# Allegro board rpi-cm4-carrierboard-v1_00-0a.brd (continued)
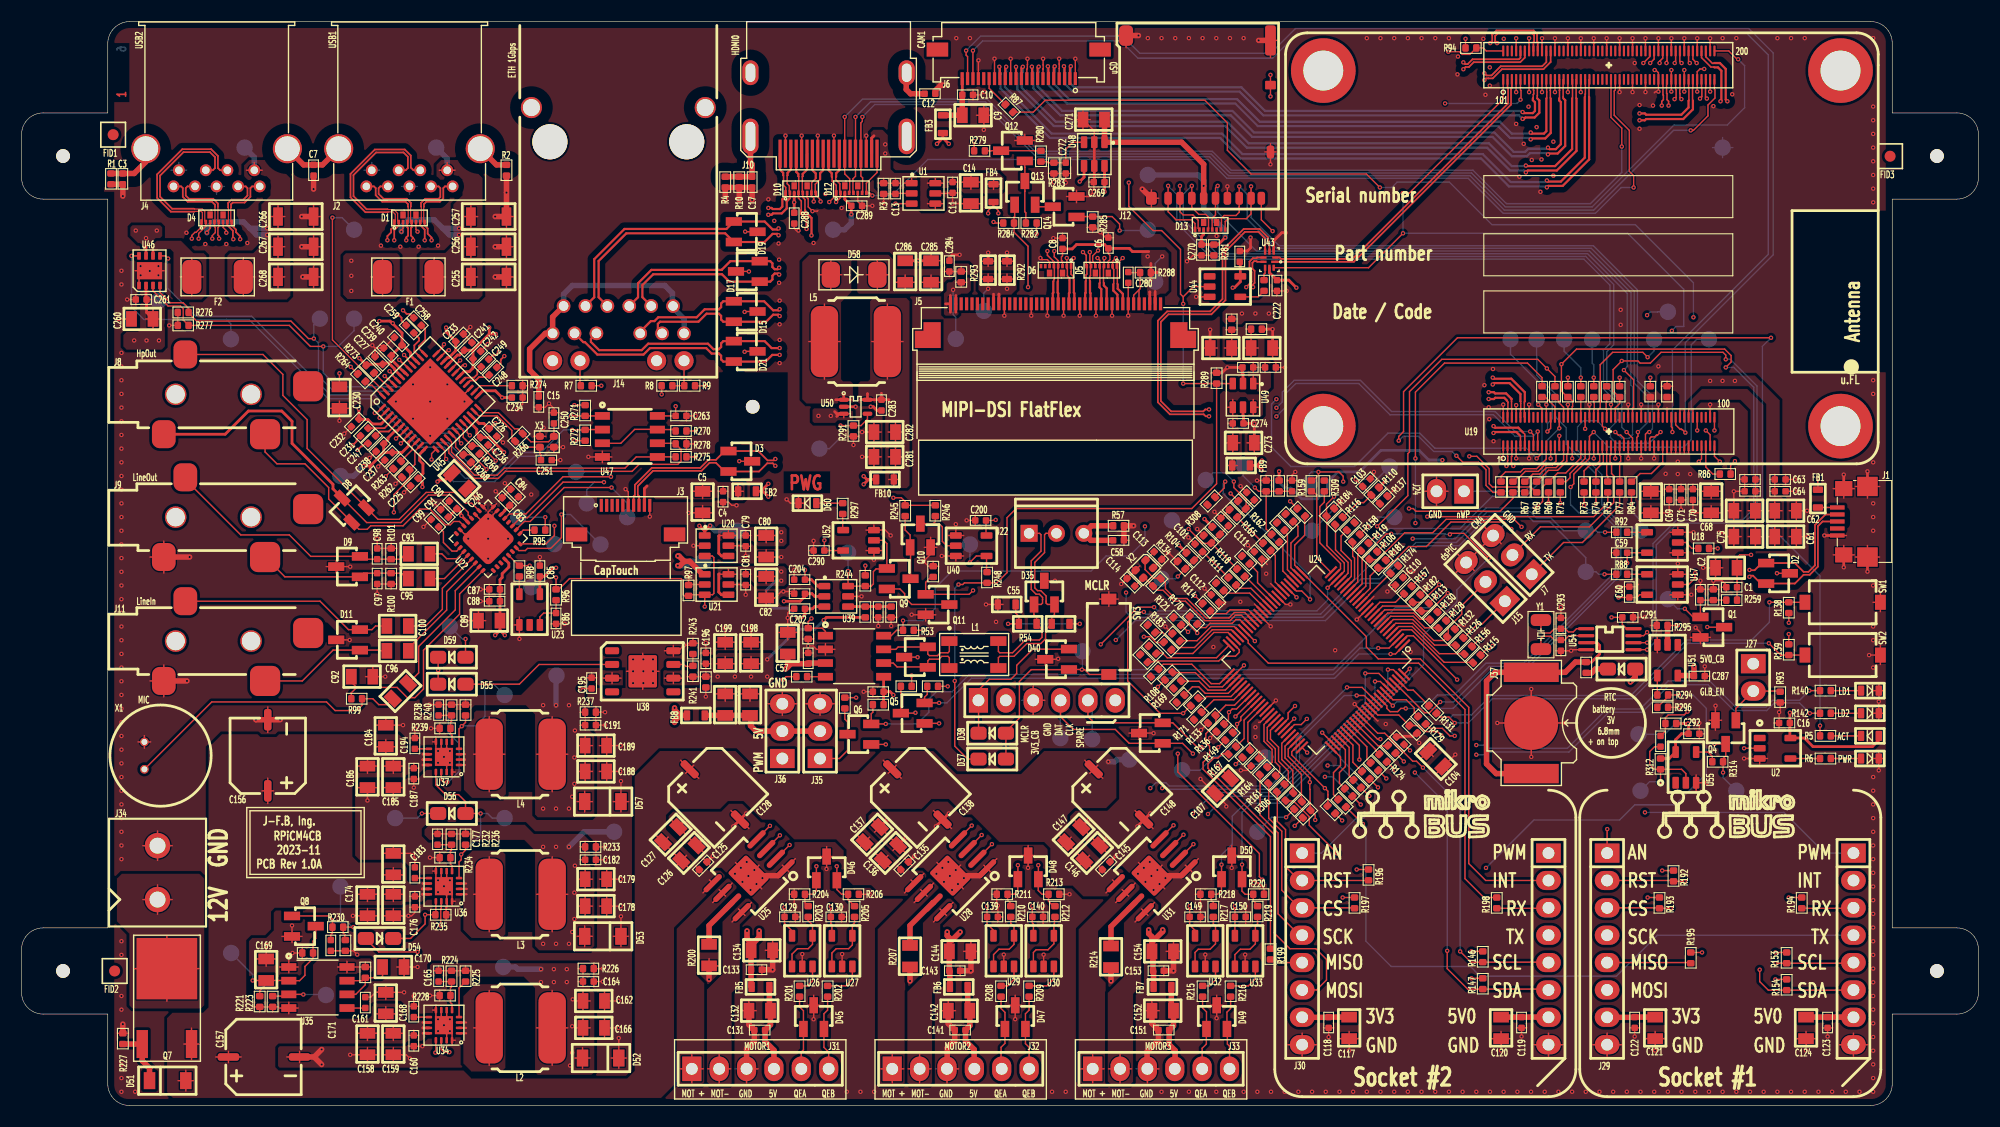
[diagram p0: board, top side]
## Routing (per net, layer and track width the routed paths; a pad name or vN(x,y) marks a point on that pad's centre or on a via; arc(x,y) is an arc through that point) (continued)
v1(125.5,58.8) ; R204.2 71.7,20.13 ; R204.2 71.22,19.6 ; R218.2 109.4,20.13 ; R218.2 108.92,19.6 ; R207.1 82.45,12.75 ; v1(156.15,96.2) 155.76,96.2 155.5,95.94 U19.191 v1(155.5,94.1) ; 85.97,52.9 U40.1 ; U40.1 v1(86.7,53.95) ; U40.1 87.43,52.9 ; v1(138.7,65) 138.7,64.55 U19.8 ; C251.2 v1(50,59.9) ; v2(39.2,32.35) v2(38.65,32.9) 38.45,33.1 U37.8 ; v2(39.2,32.35) 39.2,31.75 39.45,31.5 U37.15 ; C104.2 132.42,30.98 ; C104.2 131.3,30.82 ; C104.2 v1(133.05,32.56) ; R183.2 v1(106.15,44.45) ; v1(154.3,99.05) U19.186 ; v1(154.3,94.1) U19.185 v1(154.3,96.1) ; R228.1 38.8,10.73 ; R228.1 38.8,9.67 ; R228.1 v1(37.9,10.2) ; C4.1 65.6,56 65.9,55.7 v1(66.35,55.7) ; C4.1 64.62,56 ; C4.1 65.1,55.52 ; 100.68,23.5 C146.2 99.4,24.78 ; v1(137.3,60.05) 137.5,60.25 U19.1 ; 13.2,49.42 J9.1 ; J9.1 13.2,52.38 ; J9.1 11.92,50.9 ; 133.12,49.46 J15.3 ; J15.3 134.81,49.64 ; J15.3 134.99,51.33 ; J15.3 133.3,51.15 ; U25.1 71.8,22.9 ; U25.1 71.2,21.7 ; U25.1 70.6,22.3 ; 138.72,7.2 C119.1 ; C119.1 139.68,7.2 ; C119.1 v1(139.2,6.4) ; C268.2 27.1,77.93 ; C268.2 27.73,76.9 ; C268.2 27.1,75.87 ; C185.2 v1(34.5,28.3) ; C185.2 35.4,29.5 ; C185.2 33.6,29.5 ; J6.4 96.29,96.24 96.3,96.25 96.3,96.65 96.29,96.66 v1(96.29,97.15) ; U37.8 38.45,34.23 ; U37.8 38.15,33.75 ; 38.15,8.85 U34.8 ; U34.8 38.45,9.33 ; U19.162 v1(149.5,99.05) ; D34.3 83.14,41.61 v1(83.15,41.6) ; C76.2 158.9,54.3 ; C76.2 158.22,55.2 ; C76.2 159.58,55.2 ; 49.4,60.6 X3.4 ; X3.4 48.85,61.1 ; X3.4 v1(50.25,61.1) ; v1(149.5,94.05) U19.161 ; 68.2,50.9 C80.2 ; C80.2 v1(70.5,50.9) ; C80.2 69.1,51.58 ; C237.1 v1(33.1,59.3) ; C109.1 v1(128.85,32.95) ; v1(37.92,65.33) 38.44,65.85 40.9,65.85 41.2,66.15 41.21,66.15 U45.27 ; 151.5,60.95 U19.71 151.5,60.95 ; 151.5,60.95 v1(151.5,60.05) ; v1(113.15,31.1) 113.7,31.1 C108.1 ; C186.2 v1(32.1,28.3) ; C186.2 33,29.5 ; C186.2 31.2,29.5 ; R262.1 v1(34.7,57.7) ; J11.1 13.2,40.88 ; J11.1 11.92,39.4 ; J11.1 13.2,37.92 ; C242.1 v1(43.25,70.65) ; J5.19 v1(95.2,73.3) ; U19.14 v1(139.9,65.05) ; C120.2 138.2,6.2 ; C120.2 v1(137.3,5.1) ; C120.2 136.4,6.2 ; C120.2 137.3,6.88 ; J5.22 v1(96.7,73.3) ; C226.1 v1(44.67,61.52) ; J7.3 137.31,52.14 ; J7.3 135.62,51.96 ; J7.3 135.8,53.65 ; C225.1 v1(35.5,56.9) ; v1(94.8,18.5) C140.1 94.8,16.8 ; 61.7,63.52 C263.1 ; C263.1 61.7,64.48 ; C263.1 v1(62.55,64) ; v1(108.15,78.35) 108.7,78.9 C270.1 R281.1 ; D11.3 30.44,43.21 v1(30.45,43.2) ; U19.179 v1(153.1,96.1) ; 60.3,26.48 C127.2 61.58,25.2 ; J5.25 v1(98.2,73.3) ; C162.2 v1(55.4,9.7) ; C162.2 54.1,10.6 ; C162.2 54.1,8.8 ; U19.120 v1(141.1,99.05) ; 116.58,98.85 J12.12 115.9,97.27 ; U19.138 v1(144.7,99.05) ; 81.96,22.94 C135.1 82.64,22.26 ; 13.23,77.47 U46.9 10.52,77.47 ; R136.2 v1(110.3,34.1) ; 108,22.3 U31.1 ; U31.1 108.6,21.7 ; U31.1 109.2,22.9 ; v1(109.45,34.85) R133.2 ; U19.33 v1(143.9,60.05) ; R137.2 v1(127.4,57.2) ; U24.87 v1(123.71,37.25) ; C99.1 v1(37.3,53.7) ; U26.2 v1(72.45,14.05) ; J6.10 93.29,96.18 93.34,96.23 93.34,96.59 93.35,96.6 v1(93.35,97.15) ; C232.1 v1(29.95,62.35) ; U19.144 v1(145.9,99.05) ; R213.2 v1(97.25,19.6) ; C54.1 79,38.88 ; C54.1 79,37.92 ; C54.1 v1(78.15,38.4) ; J6.16 v1(90.29,97.15) ; 76.1,17.02 C130.1 ; C130.1 v1(76.1,18.45) ; C130.1 76.58,17.5 ; J6.1 v1(97.79,97.15) ; J5.11 v1(91.2,73.3) ; R206.2 v1(78.7,19.6) ; C64.1 v1(164.55,57) ; U33.2 v1(113.55,14) ; 63.94,22.26 C125.1 63.26,22.94 ; 86.6,7.48 C141.1 86.12,7 ; R242.2 v1(63.5,37.95) ; U19.150 v1(147.1,99.05) ; C154.2 106.9,15.2 ; C154.2 107.58,14.3 ; C154.2 106.22,14.3 ; C115.2 v1(113.12,57.48) ; C236.1 v1(43.85,60.75) ; U19.131 v1(143.5,94.05) ; v1(109,75.05) U44.3 ; U19.32 v1(143.5,65.05)
  TOP w0.254: U48.2 U48.5 99.55,85.75 C269.1 ; v1(78.8,64.85) 79.05,64.85 79.4,64.5 C283.1 ; R287.1 v1(116.1,72.05) C279.2 ; v1(114.05,80.55) 114.05,79.6 113.75,79.3 C224.1 ; v1(110.3,72) C277.2 ; v1(84.85,25.9) 85.47,26.52 ; 85.47,26.52 C138.2 ; 85.47,26.52 v1(86.05,27.1) ; v1(87.05,78.95) 86.35,78.95 86.1,78.7 C284.1 ; C136.2 v1(82.05,24.85) ; v1(66.05,25.9) 66.67,26.52 ; 66.67,26.52 v1(67.25,27.1) ; 66.67,26.52 C128.2 ; 113.28,68.5 v1(111.9,68.5) 111.4,68 R289.2 ; 113.28,68.5 113.28,67.92 113.35,67.85 U49.2 ; 113.28,68.5 C275.1 ; C137.2 v1(80.35,26.55) ; C127.2 v1(61.6,26.5) ; J1.7 v1(169.1,58.55) ; 104.17,26.52 v1(104.75,27.1) ; 104.17,26.52 C148.2 ; 104.17,26.52 v1(103.55,25.9) ; J1.6 v1(169.1,49.95) ; C126.2 v1(63.3,24.8) ; C145.1 v1(101.55,23.15) ; C147.2 v1(99.05,26.55) ; R292.2 v1(91.45,79.15) ; C125.1 v1(64.15,23.15) ; v1(117.3,81) 116.95,81 116.2,80.25 U43.3 ; J1.1 v1(167.3,52.9) ; v1(171.3,58.85) J1.9 ; C146.2 v1(100.75,24.85) ; R293.2 v1(89.7,79.15) ; U49.5 113.35,64.05 113.4,64 C274.1 v1(114.4,63.3) C273.2 ; C285.2 v1(83.2,78.4) C286.2 ; J1.8 v1(171.3,49.55) ; U50.2 v1(77.4,64.85) ; C135.1 v1(82.85,23.15)
  TOP w0.508: C58.2 R57.2 v1(103.2,53.8) ; C12.2 84.8,94.19 85.31,94.7 v1(85.6,94.7) ; R10.1 v1(66.6,84.05) ; R10.1 C17.1 v1(67.8,84.05) ; R10.1 R4.2 v1(65.3,84.05) ; J12.12 v1(114.8,98.85) ; 27.15,4.5 v1(27.85,5.2) ; 27.15,4.5 C157.2 ; 27.15,4.5 v1(27.85,3.8) ; v1(82.45,11.55) 82.45,12.75 82.4,12.75 ; C152.2 104.9,7.6 C151.1 105.5,6.05 104.45,5 104.45,3.43 J33.3 ; C153.1 v1(106.9,12.5) C154.2 ; R200.1 v1(63.8,11.7) ; U28.1 88.93,21.33 U28.9 ; v1(21.75,35.8) C156.2 v1(24,35.8) ; U31.9 107.63,21.33 U31.1 ; C268.2 v1(26.1,76.9) ; C134.2 v1(69.7,12.6) C133.1 ; C256.2 v1(43.95,79.7) ; R1.2 C3.2 v1(9.4,84.4) ; J12.14 v1(104,85.05) ; R214.1 v1(101.1,11.55) ; R227.1 v1(9.4,7.55) ; U25.9 70.23,21.33 U25.1 ; v1(43.95,82.5) C257.2 v1(45,84.73) R2.2 ; J32.3 85.9,3.42 85.9,5.35 86.6,6.05 C141.1 86,7.6 C142.2 ; J9.1 v1(15.6,50.9) ; C7.2 v1(27.1,85.05) ; C143.1 v1(88.1,12.5) C144.2 ; C255.2 v1(43.95,76.9) ; C266.2 v1(26,82.5) ; C132.2 67.5,7.5 C131.1 68,5.95 67.28,5.23 J31.3 ; J11.1 v1(15.35,39.4) ; C267.2 v1(26,79.7) ; J12.13 v1(103.65,99.3)
  GND_INNER1 w0.127: 31.77,86.8 J2.4 33.23,86.8 ; J30.9 141.7,6.64 ; J30.9 140.44,5.64 ; J30.9 142.96,5.64 ; J30.9 141.7,4.64 ; 170,4.64 J29.9 ; J29.9 171.26,5.64 ; J29.9 170,6.64 ; J29.9 168.74,5.64 ; J33.3 104.48,4.66 ; J33.3 103.48,3.4 ; J33.3 104.48,2.14 ; J33.3 105.48,3.4 ; 10.82,33.74 X1.2 ; X1.2 11.4,33.16 ; X1.2 11.4,34.32 ; X1.2 11.98,33.74 ; 11.26,24.11 J34.2 ; J34.2 13.98,24.11 ; J34.2 12.62,25.47 ; J34.2 12.62,22.75 ; J32.3 85.88,4.66 ; J32.3 85.88,2.14 ; J32.3 86.88,3.4 ; J32.3 84.88,3.4 ; J31.3 68.28,3.4 ; J31.3 67.28,2.14 ; J31.3 67.28,4.66 ; J31.3 66.28,3.4 ; J36.3 70.6,38.28 ; J36.3 70.6,36.28 ; J36.3 69.34,37.28 ; J36.3 71.86,37.28 ; 133.35,51.1 J15.3 ; J15.3 133.17,49.5 ; J15.3 134.77,49.68 ; J15.3 134.95,51.28 ; J29.8 148.4,5.64 ; J29.8 145.88,5.64 ; J29.8 147.14,4.64 ; J29.8 147.14,6.64 ; J24.2 131.31,58.26 ; J24.2 130.31,57 ; J24.2 132.31,57 ; J24.2 131.31,55.74 ; 35.27,85.3 J2.7 ; J2.7 36.73,85.3 ; J2.7 36,84.57 ; 135.85,53.6 J7.3 ; J7.3 137.27,52.18 ; J7.3 135.67,52 ; J7.3 137.45,53.78 ; 117.58,5.64 J30.8 ; J30.8 120.1,5.64 ; J30.8 118.84,6.64 ; J30.8 118.84,4.64 ; 72.84,37.28 J35.3 ; J35.3 75.36,37.28 ; J35.3 74.1,38.28 ; J35.3 74.1,36.28 ; J28.3 94.88,37.6 ; J28.3 93.88,38.86 ; J28.3 92.88,37.6 ; J28.3 93.88,36.34 ; 13.87,86.8 J4.4 15.33,86.8 ; J4.7 18.83,85.3 ; J4.7 18.1,84.57 ; J4.7 17.37,85.3
  SIG_INNER2 w0.127: 69.34,37.28 J36.3 ; J36.3 71.86,37.28 ; J36.3 70.6,38.28 ; J36.3 70.6,36.28 ; J33.3 105.48,3.4 ; J33.3 104.48,4.66 ; J33.3 103.48,3.4 ; J33.3 104.48,2.14 ; 135.85,53.6 J7.3 ; J7.3 137.45,53.78 ; J7.3 135.67,52 ; J7.3 137.27,52.18 ; 72.84,37.28 J35.3 ; J35.3 75.36,37.28 ; J35.3 74.1,38.28 ; J35.3 74.1,36.28 ; 118.84,4.64 J30.8 ; J30.8 120.1,5.64 ; J30.8 117.58,5.64 ; J30.8 118.84,6.64 ; J29.9 170,6.64 ; J29.9 170,4.64 ; J29.9 171.26,5.64 ; J29.9 168.74,5.64 ; v1(158.9,57) 158.9,57.2 158.85,57.25 ; 36,84.57 J2.7 ; J2.7 36.73,85.3 ; J2.7 35.27,85.3 ; J31.3 68.28,3.4 ; J31.3 67.28,2.14 ; J31.3 67.28,4.66 ; J31.3 66.28,3.4 ; 130.31,57 J24.2 ; J24.2 132.31,57 ; J24.2 131.31,58.26 ; J24.2 131.31,55.74 ; J4.4 14.6,87.53 ; J4.4 13.87,86.8 ; J4.4 15.33,86.8 ; 147.14,4.64 J29.8 ; J29.8 147.14,6.64 ; J29.8 148.4,5.64 ; J29.8 145.88,5.64 ; 141.7,4.64 J30.9 ; J30.9 141.7,6.64 ; J30.9 142.96,5.64 ; J30.9 140.44,5.64 ; 10.82,33.74 X1.2 ; X1.2 11.4,34.32 ; X1.2 11.4,33.16 ; X1.2 11.98,33.74 ; 133.17,49.5 J15.3 ; J15.3 133.35,51.1 ; J15.3 134.95,51.28 ; J15.3 134.77,49.68 ; J28.3 94.88,37.6 ; J28.3 92.88,37.6 ; J28.3 93.88,38.86 ; J28.3 93.88,36.34 ; 31.77,86.8 J2.4 ; J2.4 33.23,86.8 ; J2.4 32.5,87.53 ; 17.37,85.3 J4.7 ; J4.7 18.83,85.3 ; J4.7 18.1,84.57 ; 85.88,2.14 J32.3 ; J32.3 86.88,3.4 ; J32.3 84.88,3.4 ; J32.3 85.88,4.66 ; 11.26,24.11 J34.2 ; J34.2 12.62,25.47 ; J34.2 13.98,24.11 ; J34.2 12.62,22.75 ; 101,80.8 100.75,81.05 v1(100.1,81.05)
  GND_INNER4 w0.127: J30.8 120.1,5.64 ; J30.8 117.58,5.64 ; J30.8 118.84,6.64 ; J30.8 118.84,4.64 ; J29.8 147.14,6.64 ; J29.8 145.88,5.64 ; J29.8 148.4,5.64 ; J29.8 147.14,4.64 ; 10.82,33.74 X1.2 ; X1.2 11.98,33.74 ; X1.2 11.4,33.16 ; X1.2 11.4,34.32 ; J34.2 13.98,24.11 ; J34.2 12.62,22.75 ; J34.2 11.26,24.11 ; J34.2 12.62,25.47 ; 35.27,85.3 J2.7 ; J2.7 36,84.57 ; J2.7 36.73,85.3 ; 17.37,85.3 J4.7 ; J4.7 18.1,84.57 ; J4.7 18.83,85.3 ; 168.74,5.64 J29.9 ; J29.9 171.26,5.64 ; J29.9 170,4.64 ; J29.9 170,6.64 ; J7.3 137.27,52.18 ; J7.3 137.45,53.78 ; J7.3 135.85,53.6 ; J7.3 135.67,52 ; 13.87,86.8 J4.4 15.33,86.8 ; 130.31,57 J24.2 ; J24.2 131.31,55.74 ; J24.2 131.31,58.26 ; J24.2 132.31,57 ; J33.3 105.48,3.4 ; J33.3 104.48,2.14 ; J33.3 103.48,3.4 ; J33.3 104.48,4.66 ; 140.44,5.64 J30.9 ; J30.9 141.7,4.64 ; J30.9 141.7,6.64 ; J30.9 142.96,5.64 ; J32.3 85.88,4.66 ; J32.3 85.88,2.14 ; J32.3 84.88,3.4 ; J32.3 86.88,3.4 ; 33.23,86.8 J2.4 31.77,86.8 ; J28.3 94.88,37.6 ; J28.3 93.88,38.86 ; J28.3 93.88,36.34 ; J28.3 92.88,37.6 ; 70.6,36.28 J36.3 ; J36.3 69.34,37.28 ; J36.3 71.86,37.28 ; J36.3 70.6,38.28 ; J15.3 134.77,49.68 ; J15.3 133.35,51.1 ; J15.3 133.17,49.5 ; J15.3 134.95,51.28 ; J31.3 68.28,3.4 ; J31.3 67.28,2.14 ; J31.3 67.28,4.66 ; J31.3 66.28,3.4 ; J35.3 75.36,37.28 ; J35.3 74.1,38.28 ; J35.3 72.84,37.28 ; J35.3 74.1,36.28
  BOTTOM w0.127: 35.27,85.3 J2.7 ; J2.7 36,84.57 ; J2.7 36.73,85.3 ; 140.38,5.64 J30.9 ; J30.9 141.7,4.57 ; J30.9 141.7,6.71 ; J30.9 143.02,5.64 ; J29.9 171.32,5.64 ; J29.9 170,4.57 ; J29.9 168.68,5.64 ; J29.9 170,6.71 ; X1.2 11.4,34.32 ; X1.2 11.4,33.16 ; X1.2 10.82,33.74 ; X1.2 11.98,33.74 ; J28.3 93.88,38.92 ; J28.3 94.95,37.6 ; J28.3 93.88,36.28 ; J28.3 92.81,37.6 ; J34.2 13.98,24.11 ; J34.2 12.62,22.75 ; J34.2 11.26,24.11 ; J34.2 12.62,25.47 ; 66.21,3.4 J31.3 ; J31.3 68.35,3.4 ; J31.3 67.28,2.08 ; J31.3 67.28,4.72 ; 117.52,5.64 J30.8 ; J30.8 118.84,6.71 ; J30.8 120.16,5.64 ; J30.8 118.84,4.57 ; TP7.1 158.8,88.9 ; TP7.1 157.86,87.96 ; TP7.1 157.86,89.84 ; TP7.1 156.92,88.9 ; J33.3 105.55,3.4 ; J33.3 104.48,2.08 ; J33.3 104.48,4.72 ; J33.3 103.41,3.4 ; 147.14,4.57 J29.8 ; J29.8 148.46,5.64 ; J29.8 147.14,6.71 ; J29.8 145.82,5.64 ; v1(99.9,79.35) 99.9,79.6 100.05,79.75 ; 135.8,53.65 J7.3 ; J7.3 135.62,51.96 ; J7.3 137.49,53.83 ; J7.3 137.31,52.14 ; 84.81,3.4 J32.3 ; J32.3 85.88,2.08 ; J32.3 85.88,4.72 ; J32.3 86.95,3.4 ; 18.1,84.57 J4.7 ; J4.7 17.37,85.3 ; J4.7 18.83,85.3 ; J24.2 132.38,57 ; J24.2 131.31,58.32 ; J24.2 131.31,55.68 ; J24.2 130.24,57 ; 13.87,86.8 J4.4 ; J4.4 15.33,86.8 ; J4.4 14.6,87.53 ; 133.3,51.15 J15.3 ; J15.3 134.99,51.33 ; J15.3 133.12,49.46 ; J2.4 32.5,87.53 ; J2.4 31.77,86.8 ; J2.4 33.23,86.8
  vias: v1(9.27,77.47) v1(9.27,76.2) v1(9.27,69.85) v1(9.27,68.58) v1(9.27,67.31) v1(9.27,66.04) v1(9.27,64.77) v1(9.27,63.5) v1(9.27,62.23) v1(9.27,60.96) v1(9.27,59.69) v1(9.27,58.42) v1(9.27,57.15) v1(9.27,55.88) v1(9.27,54.61) v1(9.27,53.34) v1(9.27,52.07) v1(9.27,50.8) v1(9.27,49.53) v1(9.27,48.26) v1(9.27,46.99) v1(9.27,45.72) v1(9.27,44.45) v1(9.27,43.18) v1(9.27,41.91) v1(9.27,40.64) v1(9.27,39.37) v1(9.27,38.1) v1(9.27,36.83) v1(9.27,35.56) v1(9.27,34.29) v1(9.27,33.02) v1(9.27,31.75) v1(9.27,30.48) v1(9.27,29.21) v1(9.27,27.94) v1(9.27,26.67) v1(9.27,25.4) v1(9.27,24.13) v1(9.27,22.86) v1(9.27,15.24) v1(9.27,13.97) v1(9.27,10.16) v1(9.27,8.89) v1(9.27,3.81) v1(9.27,2.54) v1(9.27,1.27) v1(10.54,1.27) v1(11.05,77.9) v1(11.9,77.45) v1(12.7,77.9) v1(12.7,77.05) v1(15.3,81) v1(17.05,79.95) v1(19,79.95) v1(20.95,80.05) v1(33.35,79.8) v1(34.74,65.33) v1(35.15,79.7) v1(36.33,66.92) v1(36.33,63.74) v1(36.85,79.7) v1(37.92,68.51) v1(37.92,62.15) v1(38.65,79.8) v1(39.51,66.92) v1(39.51,63.74) v1(41.1,65.33) v1(41.45,52.6) v1(43.3,50.75) v1(45.15,52.6) v1(56.75,41.4) v1(56.75,40.3) v1(56.75,39.2) v1(57.7,41.4) v1(57.7,40.3) v1(57.7,39.2) v1(58.6,41.4) v1(58.6,40.3) v1(58.6,39.2) v1(66.2,21.5) v1(66.75,22.05) v1(66.9,20.75) v1(67.3,22.6) v1(67.45,21.3) v1(67.65,20) v1(68,21.85) v1(68.2,20.55) v1(68.75,21.1) v1(69.3,84.1) v1(69.85,82.1) v1(70.25,80) v1(70.3,78.5) v1(70.3,76.35) v1(70.35,74.7) v1(70.35,72.5) v1(70.35,71.05) v1(70.35,68.9) v1(73.5,80.05) v1(74.6,84.6) v1(76.1,83.3) v1(76.58,1.27) v1(77.85,1.27) v1(79.12,1.27) v1(84.9,21.5) v1(85.45,22.05) v1(85.6,20.75) v1(86,22.6) v1(86.15,21.3) v1(86.35,20) v1(86.74,99.06) v1(86.7,21.85) v1(86.9,20.55) v1(87.45,21.1) v1(88.01,99.06) v1(90.43,44.88) v1(95.63,1.27) v1(96.9,1.27) v1(103.6,21.5) v1(104.15,22.05) v1(104.3,20.75) v1(104.52,99.06) v1(104.7,22.6) v1(104.85,21.3) v1(105.05,20) v1(105.4,21.85) v1(105.6,20.55) v1(105.79,99.06) v1(105.79,1.27) v1(106.15,21.1) v1(107.06,99.06) v1(108.33,99.06) v1(108.33,1.27) v1(109.6,99.06) v1(110.6,42.55) v1(110.87,99.06) v1(110.87,1.27) v1(112.14,99.06) v1(113.41,99.06) v1(113.41,1.27) v1(114.68,1.27) v1(115.95,1.27) v1(117.22,1.27) v1(118.49,1.27) v1(119.76,1.27) v1(121.03,1.27) v1(121.9,42.25) v1(122.3,1.27) v1(123.57,1.27) v1(124.84,99.06) v1(124.84,1.27) v1(126.11,99.06) v1(126.11,1.27) v1(127.38,99.06) v1(127.38,1.27) v1(128.65,99.06) v1(128.65,1.27) v1(128.9,42.1) v1(129.92,99.06) v1(129.92,1.27) v1(131.19,99.06) v1(131.19,1.27) v1(132.46,99.06) v1(132.46,1.27) v1(133.25,95.7) v1(133.3,97.35) v1(133.73,1.27) v1(135,1.27) v1(135.65,99) v1(135.85,93.8) v1(135.75,66.85) v1(136.25,96.35) v1(136.25,94.65) v1(136.15,64.8) v1(136.2,63.7) v1(136.27,1.27) v1(136.55,68.35) v1(136.6,61.65) v1(137.54,1.27) v1(137.55,99) v1(138.7,91.1) v1(138.81,1.27) v1(139,86.2) v1(139.4,89.25) v1(139.85,92.7) v1(140.08,1.27) v1(140.15,87.75) v1(140.6,90.8) v1(140.95,84.8) v1(141.05,87.8) v1(141.35,1.27) v1(142.15,89.45) v1(142.15,86.3) v1(142.62,1.27) v1(143.89,1.27) v1(145.16,1.27) v1(146.43,1.27) v1(147.7,1.27) v1(148.4,73.85) v1(148.4,72.45) v1(148.97,1.27) v1(149.7,96.75) v1(150.15,92.85) v1(150.15,90.65) v1(150.24,1.27) v1(151.4,92.8) v1(151.51,1.27) v1(151.9,68.6) v1(152.78,1.27) v1(154.05,1.27) v1(155.32,1.27) v1(156.59,1.27) v1(157,92.75) v1(157.86,99.06) v1(157.86,1.27) v1(158.75,93.85) v1(159.13,99.06) v1(159.13,1.27) v1(160.4,1.27) v1(161.67,1.27) v1(162.94,99.06) v1(162.94,1.27) v1(164.21,99.06) v1(164.21,1.27) v1(165.48,99.06) v1(165.48,1.27) v1(166.75,1.27) v1(168.02,1.27) v1(169.29,1.27) v1(170.56,1.27) v1(171.83,99.06) v1(171.83,92.71) v1(171.83,91.44) v1(171.83,90.17) v1(171.83,88.9) v1(171.83,87.63) v1(171.83,86.36) v1(171.83,85.09) v1(171.83,83.82) v1(171.83,67.31) v1(171.83,66.04) v1(171.83,59.69) v1(171.83,55.88) v1(171.83,54.61) v1(171.83,53.34) v1(171.83,48.26) v1(171.83,44.45) v1(171.83,43.18) v1(171.83,40.64) v1(171.83,30.48) v1(171.83,29.21) v1(171.83,27.94) v1(171.83,26.67) v1(171.83,25.4) v1(171.83,24.13) v1(171.83,22.86) v1(171.83,21.59) v1(171.83,20.32) v1(171.83,19.05) v1(171.83,17.78) v1(171.83,16.51) v1(171.83,15.24) v1(171.83,13.97) v1(171.83,12.7) v1(171.83,11.43) v1(171.83,10.16) v1(171.83,8.89) v1(171.83,7.62) v1(171.83,6.35) v1(171.83,5.08) v1(171.83,3.81) v1(171.83,2.54) v1(171.83,1.27) v2(38.65,31.8) v2(38.65,20.9) v2(38.65,19.8) v2(38.65,8) v2(38.65,6.9) v2(39.75,32.9) v2(39.75,31.8) v2(39.75,20.9) v2(39.75,19.8) v2(39.75,8) v2(39.75,6.9)
